# Altium PCB X2023.PcbDoc (continued)
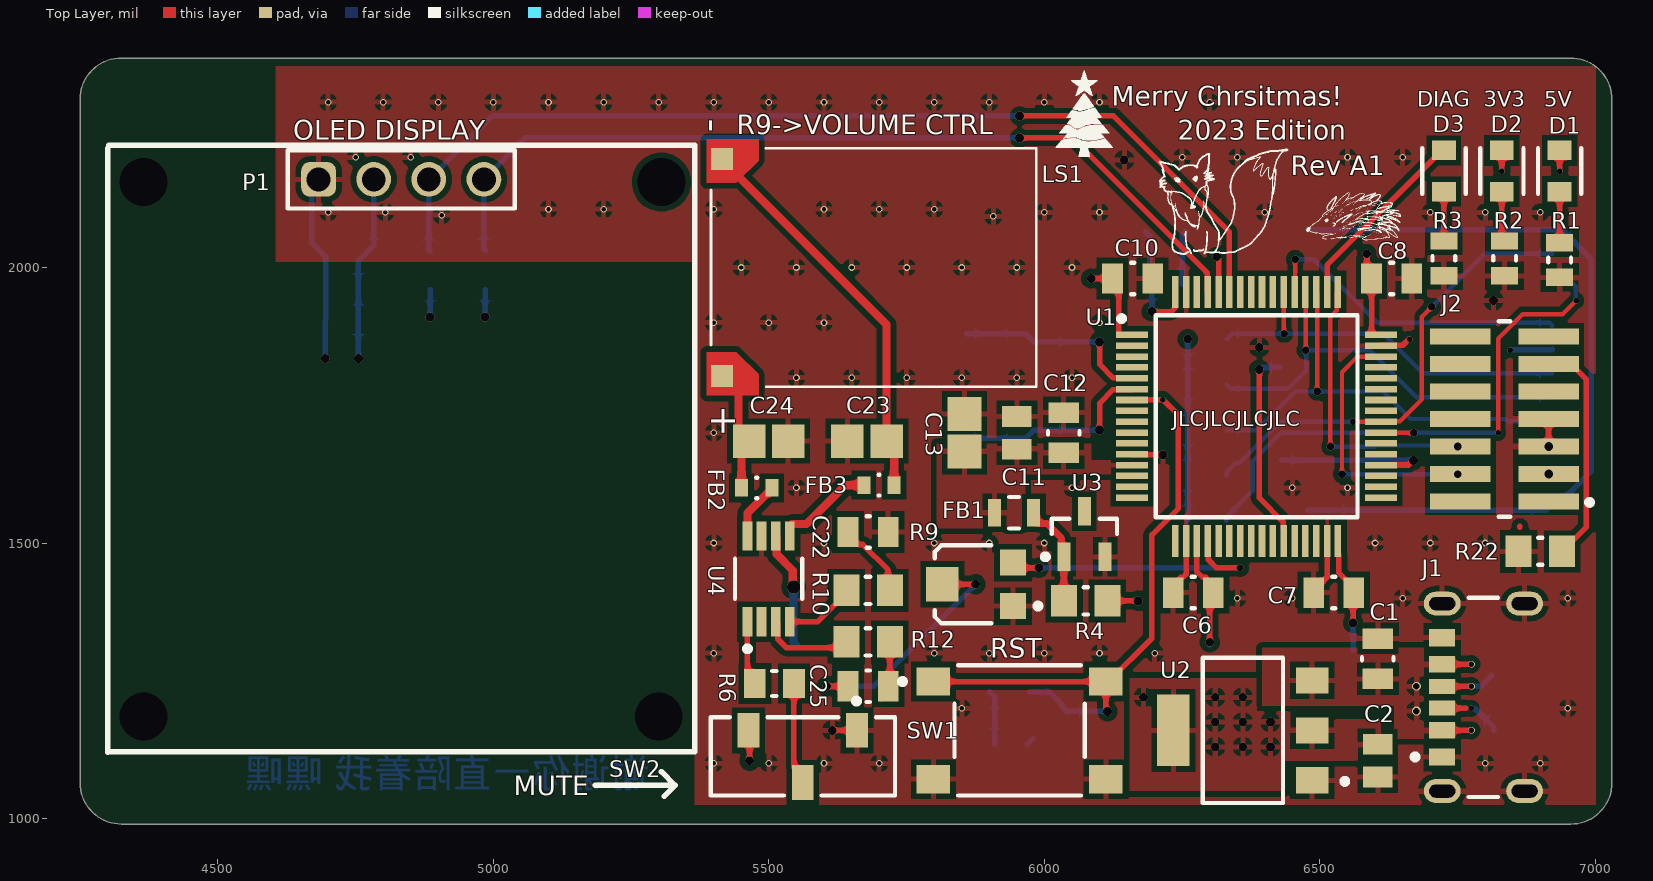
[diagram p0: Top Layer view]
## Footprints (in the part's own frame and the unit in brackets; to place one, negate y for a bottom-side part, rotate by r counter-clockwise, add the part's x,y. Pads: shape width x height; smd on the part's side, far side on the other; paste and mask are expansions set on the pad) (continued)
MF03A_N [mm] "SOT23, 3-Leads, Body 2.9x1.3mm, Pitch 0.95mm, Lead Span 2.4mm, IPC Medium Density"
  rect 1.3x0.6 smd: 1(-1.05,0.95) 2(-1.05,-0.95) 3(1.05,0)
  silkscreen extent -1.17,-1.5 0.7,1.92, body extent -0.7,-1.52 0.7,1.52, height 1.12
MOLX-5033981892_V [mm] "CONN, 8-Leads, Body 14.05x13.2mm, Pitch 1.1mm"
  rrect20% 0.7x1.1 smd: 1(-2.38,6.27) 2(-1.28,6.27) 3(-0.18,6.27) 4(0.92,6.27) 5(2.02,6.27) 6(3.12,6.27) 7(4.22,6.27) 8(5.32,6.27)
  rrect20% 1.05x0.78 smd: 9(0.095,-6.27)
  rrect20% 0.9x0.93 smd: 10(-4.17,-6.195)
  rrect20% 0.86x2.8 smd: 11(6.4,5.77)
  rrect20% 0.7x3.3 smd: 12(6.48,-5.01)
  rrect25% 0.7x3.3 smd: 13(-6.48,-5.01)
  rrect20% 1.04x1.83 smd: 14(-6.21,6.255)
  silkscreen extent -6.6,-6.38 6.6,7.5, body extent -6.55,-6.38 6.55,7.67, height 1.28
QFP50P1200X1200X160-64N [mm]
  rect 1.475x0.3 smd: 1(-5.738,3.75) 2(-5.738,3.25) 3(-5.738,2.75) 4(-5.738,2.25) 5(-5.738,1.75) 6(-5.738,1.25) 7(-5.738,0.75) 8(-5.738,0.25) 9(-5.738,-0.25) 10(-5.738,-0.75) 11(-5.738,-1.25) 12(-5.738,-1.75) 13(-5.738,-2.25) 14(-5.738,-2.75) 15(-5.738,-3.25) 16(-5.738,-3.75) 33(5.738,-3.75) 34(5.738,-3.25) 35(5.738,-2.75) 36(5.738,-2.25) 37(5.738,-1.75) 38(5.738,-1.25) 39(5.738,-0.75) 40(5.738,-0.25) 41(5.738,0.25) 42(5.738,0.75) 43(5.738,1.25) 44(5.738,1.75) 45(5.738,2.25) 46(5.738,2.75) 47(5.738,3.25) 48(5.738,3.75)
  rect 0.3x1.475 smd: 17(-3.75,-5.738) 18(-3.25,-5.738) 19(-2.75,-5.738) 20(-2.25,-5.738) 21(-1.75,-5.738) 22(-1.25,-5.738) 23(-0.75,-5.738) 24(-0.25,-5.738) 25(0.25,-5.738) 26(0.75,-5.738) 27(1.25,-5.738) 28(1.75,-5.738) 29(2.25,-5.738) 30(2.75,-5.738) 31(3.25,-5.738) 32(3.75,-5.738) 49(3.75,5.738) 50(3.25,5.738) 51(2.75,5.738) 52(2.25,5.738) 53(1.75,5.738) 54(1.25,5.738) 55(0.75,5.738) 56(0.25,5.738) 57(-0.25,5.738) 58(-0.75,5.738) 59(-1.25,5.738) 60(-1.75,5.738) 61(-2.25,5.738) 62(-2.75,5.738) 63(-3.25,5.738) 64(-3.75,5.738)
  silkscreen extent -6.35,-4.65 4.65,4.65, body extent -6,-6 6,6, height 1.6
RESC2013X60X35LL10T20 [mm] "Chip Resistor, 2-Leads, Body 2.00x1.25mm, IPC High Density"
  rect 0.8x1.25 smd: 1(-0.8,0) 2(0.8,0)
  silkscreen extent -0.1,-0.53 0.1,0.53, body extent -1.05,-0.67 1.05,0.67, height 0.6
RESC2013X60X35ML10T20 [mm] "Chip Resistor, 2-Leads, Body 2.1x1.35mm, IPC Low Density"
  rect 1.2x1.45 smd: 1(-1,0) 2(1,0)
  silkscreen extent -0.1,-0.62 0.1,0.62, body extent -1.05,-0.68 1.05,0.67, height 0.6
RESC2013X60X35NL10T20 [mm] "Chip Resistor, 2-Leads, Body 2.00x1.25mm, IPC Medium Density"
  rect 1x1.35 smd: 1(-0.9,0) 2(0.9,0)
  silkscreen extent -0.1,-0.58 0.1,0.58, body extent -1.05,-0.67 1.05,0.67, height 0.6
SPKR_CMS-151135-078S-67 [mm]
  rect 1x1 smd paste-1 mask+0: M(-5,-6.99) P(5,-6.99)
  Top Layer region: -3.9,-6.32 -3.9,-7.7 -5.9,-7.7 -5.9,-5.3 -4.92,-5.3
  Top Layer region: 5.9,-7.7 3.9,-7.7 3.9,-6.32 4.92,-5.3 5.9,-5.3
  silkscreen extent -5.5,-7.5 5.5,7.5, body extent -5.5,-7.7 5.5,7.5, height 5.08

## Part data
C1 C6 C7 C8 C9 C10 C12 C22 C25: library part CMP-1036-04402-6, "CAP CER 0.1UF 16V X7R 0805", Capacitance="100 nF", Manufacturer=Yageo, Package=CC0805-0.85, Temperature="-30°C to +85°C", Temperature Characteristic=X7R, Temperature Range High=+85°C, Temperature Range Low=-30°C, Tolerance=0.1, Voltage Rating="16 V", Automotive=No, Category=Cap, ComponentLink2Description=Datasheet, ComponentLink2URL=http://www.yageo.com/documents/recent/UPY-GPHC_Y5V_6.3V-to-50V_8.pdf, Device Class L1="Passive Components", Device Class L2=Capacitors, Device Class L3="Ceramic Capacitors", Digikey Description="CAP CER 0.1UF 16V X7R 0805", Footprint Url=http://www.yageo.com/exep/pages/download/literatures/UPY-C_GEN_24.pdf, Height=0.95mm, Ipc Land Pattern Name=CAPC200125X85, Lead Free=Yes, Manufacturer Part Number=CC0805KRX7R7BB104, Material=Ceramic, Mouser Description="Multilayer Ceramic Capacitors MLCC - SMD/SMT 100nF 16V X7R 10%", Octopart=https://octopart.com/cc0805krx7r7bb104-yageo-39467769, RoHS=TRUE
C2 C3 C4 C5 C16 C18: library part CMP-2007-03243-2, "CAP CER 10UF 10V X5R 0805", 3DS Part Number=220-00001, Capacitance=10uF, Manufacturer=Kemet, Package=C0805C-DG, Temperature="-55°C to +85°C", Temperature Characteristic=X5R, Temperature Coefficient=15%, Temperature Range High=+85°C, Temperature Range Low=-55°C, Tolerance=10%, Voltage=10V, Automotive=No, Category=Cap, ComponentLink2Description=Datasheet, ComponentLink2URL=https://content.kemet.com/datasheets/KEM_C1006_X5R_SMD.pdf, Device Class L1="Passive Components", Device Class L2=Capacitors, Device Class L3="Ceramic Capacitors", Digikey Description="CAP CER 10UF 10V X5R 0805", Height=1.4mm, Ipc Land Pattern Name=CAPC200125X125, Lead Free=Yes, Manufacturer Part Number=C0805C106K8PACTU, Material=Ceramic, Mouser Description="CAP CER 10UF 10V X5R 0805", Octopart=https://octopart.com/c0805c106k8pactu-kemet-98697, RoHS=TRUE, Voltage Rating=10V
C11 C15: library part CMP-2007-00259-2, "CAP CER 10000PF 200V X7R 0805", Capacitance=10nF, Manufacturer=KEMET, Package=C0805C-DN, Temperature="-55°C to +125°C", Temperature Characteristic=X7R, Temperature Coefficient=30ppm/°C, Temperature Range High=+125°C, Temperature Range Low=-55°C, Tolerance=0.1, Voltage Rating="200 V", Automotive=No, Category=Cap, ComponentLink2Description=Datasheet, ComponentLink2URL=https://content.kemet.com/datasheets/KEM_C1003_C0G_SMD.pdf, Device Class L1="Passive Components", Device Class L2=Capacitors, Device Class L3="Ceramic Capacitors", Digikey Description="CAP CER 10000PF 200V X7R 0805", Height=0.88mm, Ipc Land Pattern Name=CAPC200125X78, Lead Free=Yes, Manufacturer Part Number=C0805C103K2RACTU, Material=Ceramic, Mouser Description="KEMET - C0805C103K2RACTU - CAP, MLCC, X7R, 10NF, 200V, 0805", Octopart=https://octopart.com/c0805c103k2ractu-kemet-9138347, RoHS=TRUE
C13 C17 C20: library part CMP-08246-005389-1, "Multilayer Ceramic Capacitors 1μF ±10% 25V X5R SMD 0805", Capacitance=1uF, Case Code (Imperial)=0805, Case Code (Metric)=2012, Dielectric=X5R, Dielectric Material=Ceramic, Max Operating Temperature=85°C, Min Operating Temperature=-55°C, Package Quantity=2000, Tolerance=10%, Voltage=25V, Case/Package=0805, Construction=Flat, Depth=1.25mm, Height=1.25mm, Lead Free="Lead Free", Length=2mm, Mount="Surface Mount", Number of Pins=2, Packaging="Tape and Reel", Radiation Hardening=No, REACH SVHC="No SVHC", Resistor Type=Ceramic, RoHS Compliant=Yes, Series=C, Termination=SMD/SMT, Thickness=0.057inch, Voltage Rating=25V, Voltage Rating (DC)=25V, Weight=0.000194oz, Width=0.049inch
C14 C19 C21: library part CMP-2006-04659-1, Manufacturer="AVX Interconnect / Elco", Part Number=06032U150GAT2A
C23 C24: library part CMP-2007-00321-1, Manufacturer=Kemet, Part Number=C0805C221K5RACTU
D1 D2 D3: library part CMP-1724-00002-2, "LED RED DIFFUSED SMD", Case Code (Imperial)=0805, Case Code (Metric)=2012, Color=Red, Forward Current=20mA, Forward Voltage=2V, Lens Color=White, Max Operating Temperature=80°C, Min Operating Temperature=-25°C, Package Quantity=1, Approvals=UL, Case/Package=0805, Dominant Wavelength=635nm, Height=0.8mm, Illumination Color=Red, Lead Free="Lead Free", Length=2mm, Lens Style=Rectangular, Lens Transparency=Diffused, Luminous Intensity=11mcd, Mount="Surface Mount", Number of LEDs=1, Number of Pins=2, Packaging="Tape and Reel", REACH SVHC="No SVHC", Test Current=20mA, Viewing Angle=140°, Wavelength=635nm, Width=1.25mm
FB1: library part CMP-0686-00717-3, "Chip Ferrite Bead, 0805, 150Ω @ 100MHz, 0.09Ω, 25%, 1A", Case Code (Imperial)=0805, Case Code (Metric)=2012, Current Rating=800mA, DC Current=200mA, DC Resistance (DCR)=100mR, Max Operating Temperature=125°C, Min Operating Temperature=-55°C, Package Quantity=4000, Test Frequency=100MHz, Tolerance=25%, Case/Package=0805, Contact Plating=Tin, Core Material=Ferrite, DC Resistance-Max=100mR, Depth=1.45mm, Height=0.85mm, Impedance=150R, Lead Free="Lead Free", Length=2mm, Material=Ferrite, Max Current Rating=800mA, Max DC Current=200mA, Number of Circuits=1, Number of Lines=1, Number of Pins=2, Packaging="Tape and Reel", Radiation Hardening=No, REACH SVHC="No SVHC", RoHS Compliant=Yes, Series="EMIFIL®, BLM21A", Shielding=Unshielded, Termination=SMD/SMT, Weight=0.000194oz, Width=1.25mm
FB2 FB3: library part CMP-08257-000037-1, "FERRITE BEAD 120 OHM 0603 1LN", Case Code (Imperial)=0603, Case Code (Metric)=1608, Current Rating=600mA, DC Resistance (DCR)=150mR, Package Quantity=4000, Tolerance=25%, Case/Package=0603, Core Material=Ferrite, Depth=0.8mm, Height=0.03inch, Impedance=120R, Length=0.063inch, Max DC Current=600mA, Mount="Surface Mount", Packaging="Cut Tape", REACH SVHC="No SVHC", RoHS Compliant=Yes, Width=0.031inch
J1: library part CMP-245163-000004-1, "CONN RCPT TYPE C 6P SMD RA"
J2: library part CMP-02766-001412-1, "CONN HEADER SMD 14POS 1.27MM", Housing Color=Black, Max Operating Temperature=125°C, Min Operating Temperature=-55°C, Contact Material=Bronze, Contact Plating=Gold, Depth=5.84mm, Gender=Male, Housing Material=Polymer, Lead Free="Lead Free", Length=8.89mm, Number of Contacts=14, Number of Rows=2, Orientation=Straight, Packaging=Rail/Tube, Pitch=1.27mm, Radiation Hardening=No, RoHS Compliant=Yes, Termination=Solder
J3: library part CMP-002-00049-4, "Micro SD Card Connector, Pitch 1.1 mm, 8 Position, Height 1.4 mm, -25 to 85 degC, RoHS, Tape and Reel", Pins=14
LS1: library part CMP-006-000000-5, "15 x 11 mm, Rectangular Frame, 0.7 W, 8 Ohm, Neodymium Magnet, Mylar Cone, Spring Contacts", Package=None, Availability=Unavailable, Component Type=Standard, Design Item ID=CMS-151135-078S-67, MF="{'manufacturer': u'CUI'}", MP=CMS-151135-078S-67, Pin Count=2, Price=None, Source=CMS-151135-078S-67.SchLib
P1: library part CMP-1502-01064-2, Color=Black, Contact Resistance=20mΩ, Current Rating=3A, Max Operating Temperature=105°C, Min Operating Temperature=-40°C, Operating Supply Voltage=250V, Connector Type="Male Pin", Contact Material=Copper, Contact Mating Length=5.9944mm, Contact Plating=Gold, Gender=Male, Height=8.89mm, Lead Free="Lead Free", Lead Pitch=2.54mm, Mount="Through Hole", NexarPartId=32855522, Number of Contacts=4, Number of Pins=4, Number of Positions=4, Number of Rows=1, Orientation=Vertical, Packaging=Bulk, Pitch=2.54mm, REACH SVHC=Unknown, RoHS=Compliant, Termination=Solder, Voltage Rating=250V
R1: library part CMP-1013-00067-2, Manufacturer=Yageo, Part Number=RC0805JR-07510RL
R2 R3: library part CMP-2001-01368-1, Manufacturer=Yageo, Part Number=RC0805JR-07300RL
R4: library part CMP-2100-03670-1, "Chip Resistor, 10 Ohm, +/- 1%, 0.125 W, -55 to 155 degC, 0805 (2012 Metric), RoHS, Tape and Reel", Case Code (Imperial)=0805, Case Code (Metric)=2012, Manufacturer=Yageo, Max Operating Temperature=155degC, Max Power Dissipation=125mW, Min Operating Temperature=-55degC, Package Description="2-Pin Surface Mounted Device, Body 2 x 1.25 mm", Package Quantity=1, Resistance=10R, Temperature Coefficient=200ppm/degreesC, Tolerance=1%, Voltage Rating=150V, Case/Package=0805, Composition=ThickFilm, Datasheet URL=http://www.yageo.com/NewPortal/yageodocoutput?fileName=/pdf/R-Chip/PYu-RC_Group_51_RoHS_L_5.pdf, Datasheet Version="Rev. 5, 10/2016", Depth=1.25mm, Height=0.5mm, Lead Free=LeadFree, Length=2mm, Manufacturer URL=http://www.yageo.com/, Number of Pins=2, Number of Terminations=2, Package Reference=0805, Packaging=TapeandReel, Power Rating=125mW, REACH SVHC=NoSVHC, RoHSCompliant=true, Termination=SMD/SMT, Voltage Rating (DC)=150V, Width=1.25mm
R5 R7 R8: library part CMP-2001-01390-1, Manufacturer=Yageo, Part Number=RC0805JR-075K1L
R6 R11 R13 R14 R15 R16 R17 R18 R19: library part CMP-2001-01422-1, Manufacturer=Yageo, Part Number=RC0805JR-1347KL
R9: library part CMP-2100-03695-1, "Trimming Potentiometer, 10000 Ohm, -40 to 100 degC, 3-Pin SMD, RoHS, Tape and Reel", Case/Package=SMD/SMT, Colour=Silver, Manufacturer=Bourns, Max Operating Temperature=100degC, Max Power Dissipation=100mW, Min Operating Temperature=-40degC, Package Description="3-Pin Surface Mount Device, Body 3.8 x 3.6 mm", Package Quantity=2500, Package Reference=TC33X-2, Resistance=10kR, Temperature Coefficient=250ppm/degreesC, Tolerance=25%, Voltage Rating (DC)=50V, Composition=Potentiometer, Contact Plating=Silver, Datasheet URL=http://www.bourns.com/docs/Product-Datasheets/TC33.pdf, Datasheet Version=42583.0, Depth=3.8mm, Height=0.047inch, Lead Free=LeadFree, Length=3mm, Manufacturer URL=http://www.bourns.com/, Military Standard=Not, Mount=SurfaceMount, Number of Turns=1, Packaging=TapeandReel, Power Rating=100mW, Radiation Hardening=No, REACH SVHC=NoSVHC, RoHSCompliant=true, Taper=Linear, Termination=FootPrint, Weight=29.4mg, Width=0.118inch
R10 R12 R22: library part CMP-2100-03669-1, "Chip Resistor, 100 Ohm, +/-1%, 0.125 W, -55 to 155 degC, 0805 (2012 Metric), RoHS, Tape and Reel", Case Code (Imperial)=0805, Case Code (Metric)=2012, Manufacturer=Yageo, Max Operating Temperature=155degC, Max Power Dissipation=125mW, Min Operating Temperature=-55degC, Package Description="2-Pin Surface Mounted Device, Body 2 x 1.25 mm", Package Quantity=1, Resistance=100R, Temperature Coefficient=100ppm/degreesC, Tolerance=1%, Voltage Rating=150V, Case/Package=0805, Composition=ThickFilm, Datasheet URL=http://www.yageo.com/NewPortal/yageodocoutput?fileName=/pdf/R-Chip/PYu-RC_Group_51_RoHS_L_5.pdf, Datasheet Version="Rev. 5, 10/2016", Depth=1.25mm, Height=0.024inch, Lead Free=LeadFree, Lead Pitch=0.4mm, Length=2mm, Manufacturer URL=http://www.yageo.com/, Military Standard=Not, Number of Pins=2, Number of Terminations=2, Package Reference=0805, Packaging=TapeandReel, Power Rating=125mW, REACH SVHC=Unknown, RoHSCompliant=true, Termination=SMD/SMT, Voltage Rating (DC)=150V, Width=0.049inch
SW1: library part CMP-2000-05160-2, "SWITCH TACTILE SPST-NO 0.05A 12V", Case/Package=SMD/SMT, Color=Black, Contact Resistance=100mR, Current Rating=50mA, Max Operating Temperature=60°C, Max Voltage Rating (DC)=12V, Min Operating Temperature=-20°C, Operating Force=160gf, Package Quantity=1, Actuator Length=0.85mm, Actuator Material=Nylon, Actuator Type=Standard, Contact Material=Silver, Contact Plating=Silver, Depth=9mm, Illumination Type=Non-Illuminated, Lead Free="Lead Free", Length=6mm, Max Current Rating=50mA, Mechanical Life=100000Cycles, Mount="Surface Mount", Orientation=Straight, Packaging="Tape and Reel", REACH SVHC="No SVHC", Switch Function=Off-Mom, Termination="Gull Wing", Throw Configuration=SPST, Voltage Rating (DC)=12V
SW2: library part CMP-10038-000010-1, "SWITCH SLIDE SPDT 300MA 6V", Current Rating=300mA, Max Operating Temperature=85°C, Min Operating Temperature=-40°C, Voltage Rating (DC)=6V, Actuator Length=2mm, Actuator Material=Nylon, Actuator Type=Standard, Contact Material="Copper Alloy", Contact Plating=Silver, Electrical Life=5000Cycles, Mount="Surface Mount", Packaging="Cut Tape", Switch Function=On-On, Switch Travel=2mm, Throw Configuration=SPDT
U1: library part CMP-004-000000-2, "STMICROELECTRONICS - STM32L433RCT6 - MCU, ARM CORTEX-M4, 80MHZ, LQFP-64", Manufacturer_Name=STMicroelectronics, Mouser Part Number=511-STM32L433RCT6, Arrow Part Number=STM32L433RCT6, Arrow Price/Stock=https://www.arrow.com/en/products/stm32l433rct6/stmicroelectronics?region=nac, Datasheet Link=https://www.st.com/resource/en/datasheet/stm32l433rc.pdf, Design Item ID=STM32L433RCT6, Geometry.Height=1.6mm, Manufacturer_Part_Number=STM32L433RCT6, Mouser Price/Stock=https://www.mouser.co.uk/ProductDetail/STMicroelectronics/STM32L433RCT6?qs=dTJS0cRn7ogcky%2FxWSmKQA%3D%3D, Source=STM32L433RCT6.SchLib
U2: library part CMP-0244-00307-2, "IC REG LINEAR 3.3V 800MA SOT223", Case/Package=SOT-223, Dropout Voltage=1.1V, Input Bias Current=5mA, Max Input Voltage=15V, Max Operating Temperature=125°C, Max Output Current=1.3A, Max Output Voltage=3.3V, Max Power Dissipation=12W, Min Input Voltage=5.3V, Min Operating Temperature=-40°C, Output Current=950mA, Output Voltage Accuracy=1%, Package Quantity=1, Quiescent Current=10mA, Accuracy=1%, Contact Plating=Tin, Height=1.8mm, Lead Free="Lead Free", Length=6.5mm, Max Supply Voltage=15V, Min Output Voltage=3.3V, Min Supply Voltage=3.3V, Mount="Surface Mount", Nominal Output Voltage=3.3V, Number of Outputs=1, Number of Pins=4, Number of Regulators=1, Number of Terminals=4, Output Type=Fixed, Output Voltage=3.3V, Packaging="Tape and Reel", Polarity=Positive, Power Dissipation=12W, Radiation Hardening=No, REACH SVHC="No SVHC", Termination=SMD/SMT, Weight=0.01lb, Width=3.5mm
U3: library part CMP-0074-00579-2, "Precision Micropower Shunt Voltage Reference, 3-pin SOT-23, Pb-Free", Manufacturer="National Semiconductor", PackageTopMarking=RKC*XTT, PowerWise=N, ComponentLink1Description="LM4040 Datasheet", ComponentLink1URL=http://www.national.com/ds/LM/LM4040.pdf, ComponentLink2Description="LM4040 Web Page", ComponentLink2URL=http://www.national.com/pf/LM/LM4040.html, ComponentLink3Description="MF03A Package Page", ComponentLink3URL=http://www.national.com/packaging/folders/mf03a.html, CompType="Voltage Reference IC", DatasheetVersion=Apr-2005, PackageDescription="Molded SOT-23, .115 x .051 x .037in Body, 3 Lead, .075 in Pitch", PackageReference=MF03A, PackageVersion="revB, Mar-2003", PinCount=3, RevisionNote="Component URLs added", RoHS=Y
U4: library part CMP-12733-000002-1, "IC AMP CLASS D MONO 2.5W 8MSOP", Manufacturer="Diodes Inc.", Max Junction Temp=+125°C, Max Supply Voltage=5.5V, Min Supply Voltage=2V, Nominal Supply Current=4mA, Package=MSOP-8, Power At Speaker R="2.5W @ 4Ω", Temperature="-40°C to +85°C", Temperature Range High=+85°C, Temperature Range Low=-40°C, Voltage Gain=24dB, Automotive=No, Category=IC, ComponentLink2Description=Datasheet, ComponentLink2URL=https://www.diodes.com/assets/Datasheets/PAM8302A.pdf, Device Class L1="Integrated Circuits (ICs)", Device Class L2="Linear ICs", Device Class L3="Amplifiers - Audio", Digikey Description="IC AMP CLASS D MONO 2.5W 8MSOP", Footprint Url=https://www.diodes.com/assets/Package-Files/MSOP-8.pdf, Height=1.1mm, Ipc Land Pattern Name=SOP65P490X110-8, Lead Free=Yes, Manufacturer Part Number=PAM8302AASCR, Mouser Description="Audio Amplifiers 2.5W MONO FILTERLESS CLASS-D AUDIO AMP", Number Of Channels=1, Octopart=https://octopart.com/pam8302aascr-diodes+inc.-29030473, RoHS=TRUE, Standoff Height=0.05mm
Y2: library part CMP-27762-013675-1, "Crystal 8MHz ±30ppm 18pF SMD-2 5mm x 3.2mm", Case/Package=SMD/SMT, ESR (Equivalent Series Resistance)=140R, Frequency=8MHz, Frequency Stability=30ppm, Load Capacitance=18pF, Max Operating Temperature=70°C, Min Operating Temperature=-20°C, Frequency Tolerance=30ppm, Height=0.051inch, Length=0.197inch, Mount="Surface Mount", Packaging="Tape and Reel", RoHS Compliant=Yes, Width=0.126inch

## Free pads (board coordinates)
  round 60 hole 86.61 mask+31.5: 1(4365,1185) 1(4365,2155) 1(5305,2155)
  round 60 hole 86.61 paste+0 mask+31.5: 1(5300,1185)

## Via types
v1: diameter 12, hole 8, Top Layer to Bottom Layer, 86 vias
v2: diameter 16, hole 16, Top Layer to Bottom Layer, 39 vias
v3: diameter 14, hole 14, Top Layer to Bottom Layer, 10 vias
v4: diameter 10, hole 10, Top Layer to Bottom Layer, 8 vias
v5: diameter 12, hole 10, Top Layer to Bottom Layer, 3 vias
v6: diameter 16, hole 12, Top Layer to Bottom Layer, 2 vias
v7: diameter 12, hole 12, Top Layer to Bottom Layer, 2 vias
v8: diameter 24, hole 24, Top Layer to Bottom Layer, 1 vias

## Nets (pads, with @x,y where several pads share a name; then routed paths per layer and width w, separated by ;. In a path a pad name is that pad's centre, name@x,y a point inside that pad or via, vN(x,y) a via of type N, cw(c..) or ccw(c..) an arc to the next point about the centre after c; other vN are vias at no path point)
3V: C11.1 C12.1 C13.1 FB1.2 U1.13
3V3: C2.1 C3.1 C4.1 C5.1 C6.1 C7.1 C8.1 C9.1 C10.1 D2.2 J2.3 J3.4 R4.2 R13.1 R14.1 R15.1 R16.1 R17.1 U1.1 U1.19 U1.32 U1.48 U1.64 U2.2 U2.4 | length 1480.4
  Top Layer w10: v2(6085,1980) C10.1 6135,1968.58 6135,1884.4 6135.06,1884.34 6135.06,1878.54 6135.96,1877.64 U1.1 ; R4.2 v2(6170,1395) ; v2(6195,1920) 6230.6,1920 6236.46,1925.86 6236.46,1955 U1.64 ; U1.19@6276.31,1503.67 6276.31,1448.69 6287.44,1437.56 6292.72,1437.56 6306.42,1423.86 C6.1 6300,1403.58 v2(6300,1320) ; U1.32 6532.64,1480.96 6533.92,1479.68 6533.92,1446.36 6561.42,1418.86 C7.1 6560,1408.58 v2(6560,1355) ; v2(6585,2025) 6585,1988.58 C8.1 6593.58,1878.54 6594.49,1877.64 U1.48 ; v4(6830,2175) D2.2
  Bottom Layer w10: C9.1 6190.94,2057.64 C3.1 6195,1965.94 v2(6195,1920) ; R16.1 6260,1540.87 R15.1 6260,1705 6260,1787.5 v2(6260,1870) ; C4.1 6300,1315.47 v2(6300,1320) ; C5.1 6560,1305.47 v2(6560,1355) ; v4(6845.23,1850) 6845.84,1850.61 6921.24,1850.61 J3.4
  other v2: 6310,1130 6360,1130 6410,1130 6310,1175 6360,1175 6410,1175 6180,1220 6310,1220 6360,1220 6915.12,1625
5V: C1.1 C16.1 C17.1 C18.1 C20.1 D1.2 J1.A9 J1.B9 P1.2 R18.2 R19.1 SW2.3 U2.3 U4.6 | length 852.8
  Top Layer w10: SW2.3 5465,1158.15 v2(5465,1105) ; J1.B9 6721.97,1160.08 6774.92,1160.08 v5(6775,1160) ; J1.A9 6721.97,1279.92 6774.92,1279.92 v5(6775,1280) ; v4(6935,2175) D1.2@6935,2215
  Top Layer w15: U4.6 5513.65,1511.4 5513.65,1479.81 5543.28,1450.19 5543.28,1421.72 v8(5545,1420)
  Bottom Layer w10: v2(4755,1835) 4755,2011.96 4782.8,2039.76 P1.2 ; v2(4885,1910) R19.1 ; v2(4985,1910) R18.2
  Bottom Layer w15: v8(5545,1420) 5545,1420.14 5544.53,1420.61 5544.53,1319.49 C20.1
  other v6: 6675,1195 6675,1240
\S\D\: R6.1 U4.1 | length 117.8
  Top Layer w10: U4.1 5461.12,1258.45 R6.1
CD_A: J3.9 U1.27 | length 368.9
  Top Layer w10: v2(6390,1815) 6390,1581.77 6433.31,1538.46 6433.31,1528.13 6434.21,1527.23 U1.27
  Bottom Layer w10: v2(6390,1815) 6391.62,1815 6395.36,1818.74 J3.9
CD_B: J3.10 U1.36 | length 301.9
  Top Layer w10: U1.36 6611.05,1641.57 6659.94,1641.57 6668.38,1650 v2(6670,1650)
  Bottom Layer w10: J3.10 6431.52,1650.41 6669.59,1650.41 v2(6670,1650)
DAC_OUT: R9.3 U1.20 | length 519.4
  Top Layer w10: R9.3 5952.32,1455 v2(5990,1455) ; U1.20 6297.32,1503.19 6297.32,1469.73 6312.05,1455 v7(6355,1455)
  Bottom Layer w10: v2@5985,1455 v2(5990,1455) v7(6355,1455)
DIAG: D3.2 U1.50 | length 346.6
  Top Layer w10: U1.50 6512.95,2004.29 6721.06,2212.4 D3.2
GND: C1.2 C2.2 C3.2 C4.2 C5.2 C6.2 C7.2 C8.2 C9.2 C10.2 C11.2 C12.2 C13.2 C14.1 C15.2 C16.2 C17.2 C18.2 C19.1 C20.2 C21.1 C22.1 C23.1 C24.1 J1.1 J1.2 J1.3 J1.4 J1.A12 J1.B12 J2.5 J2.7 J3.6 J3.11 J3.12 J3.13 J3.14 P1.1 R1.1 R2.1 R3.1 R7.1 R8.1 R9.1 R11.1 R22.2 SW1.3 SW1.4 SW2.1 U1.12 U1.18 U1.31 U1.47 U1.63 U2.1 U3.2 U4.7 | length 2335.5
  Top Layer w10: v2(5615,1160) SW2.1 ; U1.12 6159.65,1660.55 6214.45,1660.55 v2(6215,1660) ; C6.2@6233.58,1415 6233.58,1423.86 6247.28,1437.56 6251.19,1437.56 6257.05,1443.42 U1.18 ; C7.2 6488.58,1418.86 6502.28,1432.56 6507.09,1432.56 6512.95,1438.42 U1.31 ; U1.47 6611.81,1858.86 6650.23,1858.86 6661.38,1870 v4(6663,1870) ; v2(6915.12,1675) J2.7
  Bottom Layer w10: P1.1 4670,2147.2 4670,2045 4695.94,2019.06 C16.2 4695,1904.06 v2(4695,1835) ; C15.2 C15.2@5979.06,1145 ; C3.2 6250,2058.58 C9.2 ; J3.13 6910.63,1559.88 J3.14 6932.72,1570.51 6992,1629.8 6992,2015.32 6938.78,2068.54 6479.33,2068.54 J3.12
  other v1: 5400,1100 5500,1100 5600,1100 5700,1100 6800,1100 6900,1100 5850,1200 6950,1200 5400,1300 5800,1300 5900,1300 6000,1300 6100,1300 6200,1300 6350,1400 6450,1400 6650,1400 6950,1400 5400,1500 5600,1500 5800,1500 5900,1500 6000,1500 6600,1500 6700,1500 6800,1500 5550,1600 6050,1600 6450,1600 6550,1600 5400,1700 5550,1800 5650,1800 5750,1800 5850,1800 5950,1800 6050,1800 5400,1900 5500,1900 5600,1900 6100,1900 5450,2000 5550,2000 5650,2000 5750,2000 5850,2000 5950,2000 6050,2000 5907.35,2092.65 4906,2095 4700,2100 4803.8,2100 6000,2100 6100,2100 6400,2100 6700,2100 6800,2100 6900,2100 5100,2106 5200,2106 5400,2106 5600,2106 5700,2106 5800,2106 4750,2200 4850,2200 6250,2200 6350,2200 6550,2200 6650,2200 4700,2300 4800,2300 4900,2300 5000,2300 5100,2300 5200,2300 5300,2300 5400,2300 5500,2300 5600,2300 5700,2300 5800,2300 5900,2300 6000,2300 6100,2300 6300,2300
  other v2: 6390,1855 6815,1940 6145,2195
NetC15_1: C15.1 R5.1 | length 98.9
  Bottom Layer w10: R5.1 5910,1220.63 C15.1
NetC22_2: C22.2 R10.1 | length 145
  Top Layer w10: C22.2 5643.65,1511.14 5657.35,1497.44 5670.25,1497.44 5716.07,1451.62 5716.07,1417.23 R10.1
NetC25_1: C25.1 R9.2 | length 445.3
  Top Layer w10: v2(5605,1240) C25.1 ; R9.2 v2(5875,1425)
  Bottom Layer w10: v2(5605,1240) 5690,1240 v2(5875,1425)
NetC25_2: C25.2 R12.1 | length 115.4
  Top Layer w10: C25.2@5702.72,1217.01 5702.72,1226.3 5719.37,1242.95 R12.1 ; R12.1@5719.37,1330.08 R12.1@5719.37,1335
NetD1_1: D1.1 R1.2 | length 97.8
  Top Layer w10: D1.1@6935,2140.2 6935,2056.5 R1.2@6945,2046.5
NetD2_1: D2.1 R2.2 | length 91.7
  Top Layer w10: D2.1 6830,2052.99 R2.2
NetD3_1: D3.1 R3.2 | length 89.6
  Top Layer w10: R3.2 D3.1
NetFB1_1: FB1.1 R4.1 U3.1 | length 196.8
  Top Layer w12: FB1.1@5983.11,1557.68 FB1.1 5980.43,1542.2 5987.24,1535.39 6004.61,1535.39 6030.79,1509.21 6030.79,1479.41 U3.1 6035.2,1395.43 R4.1
NetFB2_1: FB2.1 U4.8 | length 107.1
  Top Layer w15: U4.8 5461.12,1554.33 5496.04,1589.25 5498.6,1589.25 5505.41,1596.06 FB2.1
NetFB3_1: FB3.1 U4.5 | length 182.9
  Top Layer w15: U4.5 5537.89,1530.47 5541.75,1534.33 5568.23,1534.33 5638.9,1605 FB3.1
NetJ1_A5: J1.A5 R7.2 | length 104
  Top Layer w10: J1.A5 6722.05,1200.16 6764.84,1200.16 6765,1200
  Bottom Layer w10: v4(6774.37,1200) 6775.52,1198.85 6781.7,1198.85 6815.63,1164.92 R7.2@6815.63,1160
NetJ1_B5: J1.B5 R8.2 | length 98
  Top Layer w10: J1.B5 6722.05,1239.84 6774.84,1239.84 v5(6775,1240)
  Bottom Layer w10: v5(6775,1240) 6792.01,1240 6810.63,1258.62 R8.2@6810.63,1260
NetJ2_11: J2.11 R22.1 | length 409.8
  Top Layer w10: J2.11 6955.47,1825 6982.91,1797.56 6982.91,1528.54 R22.1
NetR6_2: R6.2 SW2.2 | length 186.2
  Top Layer w10: R6.2 5545.43,1093.46 5561.58,1077.32 SW2.2
NetR10_2: R10.2 U4.4 | length 129.1
  Top Layer w10: U4.4 5588.86,1357.24 5640.63,1409.01 R10.2
NetR11_2: R11.2 U1.60 | length 65.5
  Top Layer w10: v2(6312.79,2020) 6312.79,2018.38 6316.1,2015.06 U1.60
NetR12_2: R12.2 U4.3 | length 168.7
  Top Layer w10: U4.3 5516.15,1353.39 5516.15,1325.34 5531.49,1310 5630.03,1310 R12.2
NRST: C14.2 R5.2 SW1.1 SW1.2 U1.7 | length 1162.8
  Top Layer w10: SW1.1 SW1.2 ; v2(6114.41,1194.41) 6114.41,1196.03 6111.5,1198.95 SW1.2 ; U1.7 6159.33,1759.76 6214.76,1759.76 v4(6215,1760) 6243,1732 6243,1562.88 6195,1514.88 6195,1327.16 6116.42,1248.58 SW1.2
  Bottom Layer w10: R5.2@5973.74,1230 6008.82,1230 6031.89,1206.93 6031.89,1203.38 6041.46,1193.82 C14.2 6045.59,1194.41 v2(6114.41,1194.41)
OSC_IN: C19.2 U1.5 Y2.2 | length 357
  Top Layer w10: v2(6100,1865) 6100,1824.53 6124.73,1799.8 6158.19,1799.8 U1.5
  Bottom Layer w10: C19.2 5965.71,1880 5980.71,1865 v2(6100,1865)
OSC_OUT: C21.2 U1.6 Y2.1 | length 365.1
  Top Layer w10: v2(6100,1705) 6100,1753.58 6124.73,1778.31 6158.19,1778.31 U1.6
  Bottom Layer w10: C21.2 5965.71,1690 5980.71,1705 v2(6100,1705)
SCL: P1.4 R18.1 U1.61 | length 1609.9
  Top Layer w10: v2(5955,2235) 6050.79,2235 6287.97,1997.82 6295.51,1990.27 6295.51,1956.81 U1.61
  Bottom Layer w10: R18.1 4982.8,2033.07 P1.4 5057.8,2235 v2(5955,2235)
SD_CLK: J3.5 U1.53 | length 546.8
  Top Layer w8: 6454.8,1985 6454.8,1990.27 6455,1990.47 v3(6455,2015)
  Bottom Layer w8: v3(6455,2015) 6488.89,2015 6603.89,1900 6916.38,1900 J3.5
SD_CMD: J3.3 R17.2 U1.54 | length 701.2
  Top Layer w8: U1.54 6434.61,1955.51 6434.61,1880.39 v3(6435,1880)
  Bottom Layer w8: R17.2 6340.87,1880 6615,1880 6687.09,1807.91 J3.3
SD_D0: J3.7 R16.2 U1.39 | length 1041.2
  Top Layer w8: 6640,1699.57 6640.43,1700 v3(6670,1700) ; v4(6823.23,1700) 6823.23,1870.8 6867.85,1915.43 6940.43,1915.43 v4(6965,1940)
  Bottom Layer w8: R16.2 6330,1546.89 6377.82,1594.71 6377.82,1648.28 6429.53,1700 v4(6823.23,1700) ; J3.7 6923.81,1979.18 6950.82,1979.18 6963.85,1966.15 6963.85,1941.15 v4(6965,1940)
SD_D1: J3.8 R15.2 U1.40 | length 849.4
  Top Layer w8: v7(6560,1720) 6560.08,1720.08 6610.83,1720.08 6611.81,1721.06 6645.27,1721.06 6685,1760.79 6685,1910.49 v3(6703.01,1928.5)
  Bottom Layer w8: R15.2 6330.87,1629.39 6346.55,1645.07 6353.44,1645.07 6428.37,1720 v7(6560,1720) ; v3(6703.01,1928.5) 6799.23,2024.72 6921.57,2024.72 J3.8
SD_D2: J3.1 R14.2 U1.51 | length 824.3
  Top Layer w8: U1.51 6495,1954.17 v3(6495,1775)
  Bottom Layer w8: R14.2 6385.23,1705 6455.23,1775 6615,1775 6665,1725 6837.22,1725 6840.92,1721.3 J3.1
SD_D3: J3.2 R13.2 U1.52 | length 787.2
  Top Layer w8: U1.52 6474.29,1955.2 6474.29,1850.29 v3(6474,1850)
  Bottom Layer w8: R13.2 6337.93,1780 6441.84,1780 6475,1813.16 6475,1849 v3(6474,1850) ; v3@6475,1850 6590,1850 6675.39,1764.61 J3.2
SDA: P1.3 R19.2 U1.59 | length 1826.7
  Top Layer w10: v2(5955,2275) 6125,2275 6335.79,2064.21 U1.59
  Bottom Layer w10: R19.2 4882.8,2032.64 P1.3 4997.8,2275 v2(5955,2275)
T_JCLK/T_SWCLK: J2.6 U1.49 | length 524.1
  Top Layer w8: v3(6519,1675) 6519,1910.22 6530.73,1921.95 6530.73,1954 U1.49 ; v3(6750,1675) J2.6
  Bottom Layer w8: v3(6519,1675) 6598.87,1675 6600.87,1677 6746.38,1677 6748.38,1675 v3(6750,1675)
T_JTMS/T_SWDIO: J2.4 U1.46 | length 482.5
  Top Layer w8: v3(6540,1625) 6540,1810 6568.27,1838.27 U1.46 ; v3(6750,1625) J2.4
  Bottom Layer w8: v3(6540,1625) v3(6750,1625)
VO+: C24.2 FB2.2 LS1.P | length 215.7
  Top Layer w15: 5440,1800 5445,1795 5445,1704.13 C24.2 5450.29,1671.16 FB2.2
VO-: C23.2 FB3.2 LS1.M | length 721.3
  Top Layer w15: LS1.M 5426.99,2184.66 5426.99,2183.01 5713.46,1896.54 C23.2 5727.31,1671.16 FB3.2
pads on no net: J2.1 J2.2 J2.8 J2.9 J2.10 J2.12 J2.13 J2.14 U1.2 U1.3 U1.4 U1.8 U1.9 U1.10 U1.11 U1.14 U1.15 U1.16 U1.17 U1.21 U1.22 U1.23 U1.24 U1.25 U1.26 U1.28 U1.29 U1.30 U1.33 U1.34 U1.35 U1.37 U1.38 U1.41 U1.42 U1.43 U1.44 U1.45 U1.55 U1.56 U1.57 U1.58 U1.62 U3.3 U4.2
copper on no net: | length 1.6
  Top Layer w10: 6862.92,1528.38 6862.92,1530

## Polygon pours and split planes (outlines as drawn)
GND on Bottom Layer "GND_L04_P001" (solid, remove dead copper, pour order 1): 4600,2105 4600,2000 5360,2000 5360,1015 6995,1015 6995,2355 4600,2355
GND on Top Layer "GND_L01_P007" (solid, remove dead copper, pour order 7): 4605.12,2115 4605.12,2010 5365.12,2010 5365.12,1025 7000.12,1025 7000.12,2365 4605.12,2365
5V on Top Layer "5V_L01_P002" (solid, pour order 2): 6395,1310 6395,1205 6635,1205 6635,1145 6745,1145 6745,1310
3V on Top Layer "3V_L01_P006" (solid, pour order 6): 5805,1527.05 5960,1527.05 5965,1532.05 5965,1625 6190,1625 6190,1650 6085,1650 6085,1680 5805,1680
3V3 on Top Layer "3V3_L01_P005" (solid, pour order 5): 6155,1050 6435,1050 6435,1105 6610,1105 6610,1180 6530,1180 6530,1195 6385,1195 6385,1255 6155,1255
3V3 on PWR (split plane): 6869.9,2090 6870.29,2088.05 6871.4,2086.4 6873.05,2085.29 6875,2084.9 6954.9,2084.9 6954.9,1535.1 6590,1535.1 6588.05,1534.71 6586.4,1533.6 6585.29,1531.95 6584.9,1530 6584.9,1110.1 6290.1,1110.1 6290.1,1130 6289.71,1131.95 6288.6,1133.6 6286.95,1134.71 6285,1135.1 5755.1,1135.1 5755.1,2229.9 6869.9,2229.9
5V on PWR (split plane): 4325,2359.9 6955,2359.9 6956.56,2360.06 6961.01,2359.81 6967.11,2358.77 6973.05,2357.06 6978.76,2354.69 6984.18,2351.7 6989.22,2348.12 6993.83,2344 6997.95,2339.39 7001.53,2334.34 7004.52,2328.93 7006.89,2323.22 7008.6,2317.27 7009.64,2311.18 7009.96,2305.54 7009.9,2305 7009.9,1065 7009.96,1064.46 7009.64,1058.82 7008.6,1052.73 7006.89,1046.78 7004.52,1041.07 7001.53,1035.66 6997.95,1030.61 6993.83,1026 6989.22,1021.88 6984.18,1018.3 6978.76,1015.31 6973.05,1012.94 6967.11,1011.23 6961.01,1010.19 6956.56,1009.94 6955.01,1010.1 6955,1010.1 4325,1010.1 4324.46,1010.04 4318.82,1010.36 4312.73,1011.4 4306.78,1013.11 4301.07,1015.48 4295.66,1018.47 4290.61,1022.05 4286,1026.17 4281.88,1030.78 4278.3,1035.82 4275.31,1041.24 4272.94,1046.95 4271.23,1052.89 4270.19,1058.99 4269.88,1064.62 4269.93,1065.16 4270.1,2309.45 4270.19,2311.18 4271.23,2317.27 4272.94,2323.22 4275.31,2328.93 4278.3,2334.34 4281.88,2339.39 4286,2344 4290.61,2348.12 4295.66,2351.7 4301.07,2354.69 4306.78,2357.06 4312.73,2358.77 4318.82,2359.81 4323.38,2360.06
GND on GND (split plane): 4325,2359.9 6955,2359.9 6956.56,2360.06 6961.01,2359.81 6967.11,2358.77 6973.05,2357.06 6978.76,2354.69 6984.18,2351.7 6989.22,2348.12 6993.83,2344 6997.95,2339.39 7001.53,2334.34 7004.52,2328.93 7006.89,2323.22 7008.6,2317.27 7009.64,2311.18 7009.96,2305.54 7009.9,2305 7009.9,1065 7009.96,1064.46 7009.64,1058.82 7008.6,1052.73 7006.89,1046.78 7004.52,1041.07 7001.53,1035.66 6997.95,1030.61 6993.83,1026 6989.22,1021.88 6984.18,1018.3 6978.76,1015.31 6973.05,1012.94 6967.11,1011.23 6961.01,1010.19 6956.56,1009.94 6955.01,1010.1 6955,1010.1 4325,1010.1 4324.46,1010.04 4318.82,1010.36 4312.73,1011.4 4306.78,1013.11 4301.07,1015.48 4295.66,1018.47 4290.61,1022.05 4286,1026.17 4281.88,1030.78 4278.3,1035.82 4275.31,1041.24 4272.94,1046.95 4271.23,1052.89 4270.19,1058.99 4269.88,1064.62 4269.93,1065.16 4270.1,2309.45 4270.19,2311.18 4271.23,2317.27 4272.94,2323.22 4275.31,2328.93 4278.3,2334.34 4281.88,2339.39 4286,2344 4290.61,2348.12 4295.66,2351.7 4301.07,2354.69 4306.78,2357.06 4312.73,2358.77 4318.82,2359.81 4323.38,2360.06

## Other copper
Bottom Layer:
  text "谢谢你一直陪着我 嘿嘿" at 5285,1039.44 h90
PWR (plane layer: these items are gaps in the copper):
  lines w10: 5750,1130 6285,1130 6285,1105 6535,1105 6590,1105 6590,1530 6960,1530 6960,2090 6875,2090 6875,2235 5750,2235 5750,1130

## Silkscreen, mask and mechanical layers (free items; w line width, h text height)
Top Overlay:
  drawing of 24 lines, arcs and shapes, not listed
  text "Merry Chrsitmas!" at 6122,2293.66 h35
  text "DIAG" at 6677,2292 h28
  text "3V3" at 6797,2292 h28
  text "5V" at 6907,2292 h28
  text "R9->VOLUME CTRL" at 5442,2242 h35
  text "OLED DISPLAY" at 4637,2232 h35
  text "2023 Edition" at 6242,2232 h35
  text "Rev A1" at 6447,2167 h35
  text "JLCJLCJLCJLC" at 6232,1712 h27
  text "RST" at 5902,1292 h35
  text "MUTE" at 5037,1042 h35
Bottom Overlay:
  lines w10: 4840,1845 5020,1845 ; 5075,1860 5060,1875 ; 5075,1890 5060,1875 ; 5200,1820 5200,1875 5060,1875
  text "DNP IF INTERNAL PULL-UP ENABLED" at 5243,1782 h28
Board Shape:
  lines w10: 4249.83,1065.17 ccw(c4325,1065.17) 4325,990 6955,990 ; 4249.83,2305 cw(c4325,2305) 4325,2380.17 ; 4250,1065 4250,2310 ; 4325,2380 6955,2380 ; 6954.83,989.83 ccw(c6954.83,1065) 7030,1065 7030,2305 ccw(c6954.83,2305) 6954.83,2380.17

## Text inside footprints (layer, text, board x,y; h text height)
LS1: Top Overlay "-" at 5375,2270 h50.1 r270; Top Overlay "+" at 5395.35,1750.39 h50.04 r270